# Altium PCB NG2093.PcbDoc (part 5 of 8) (continued)
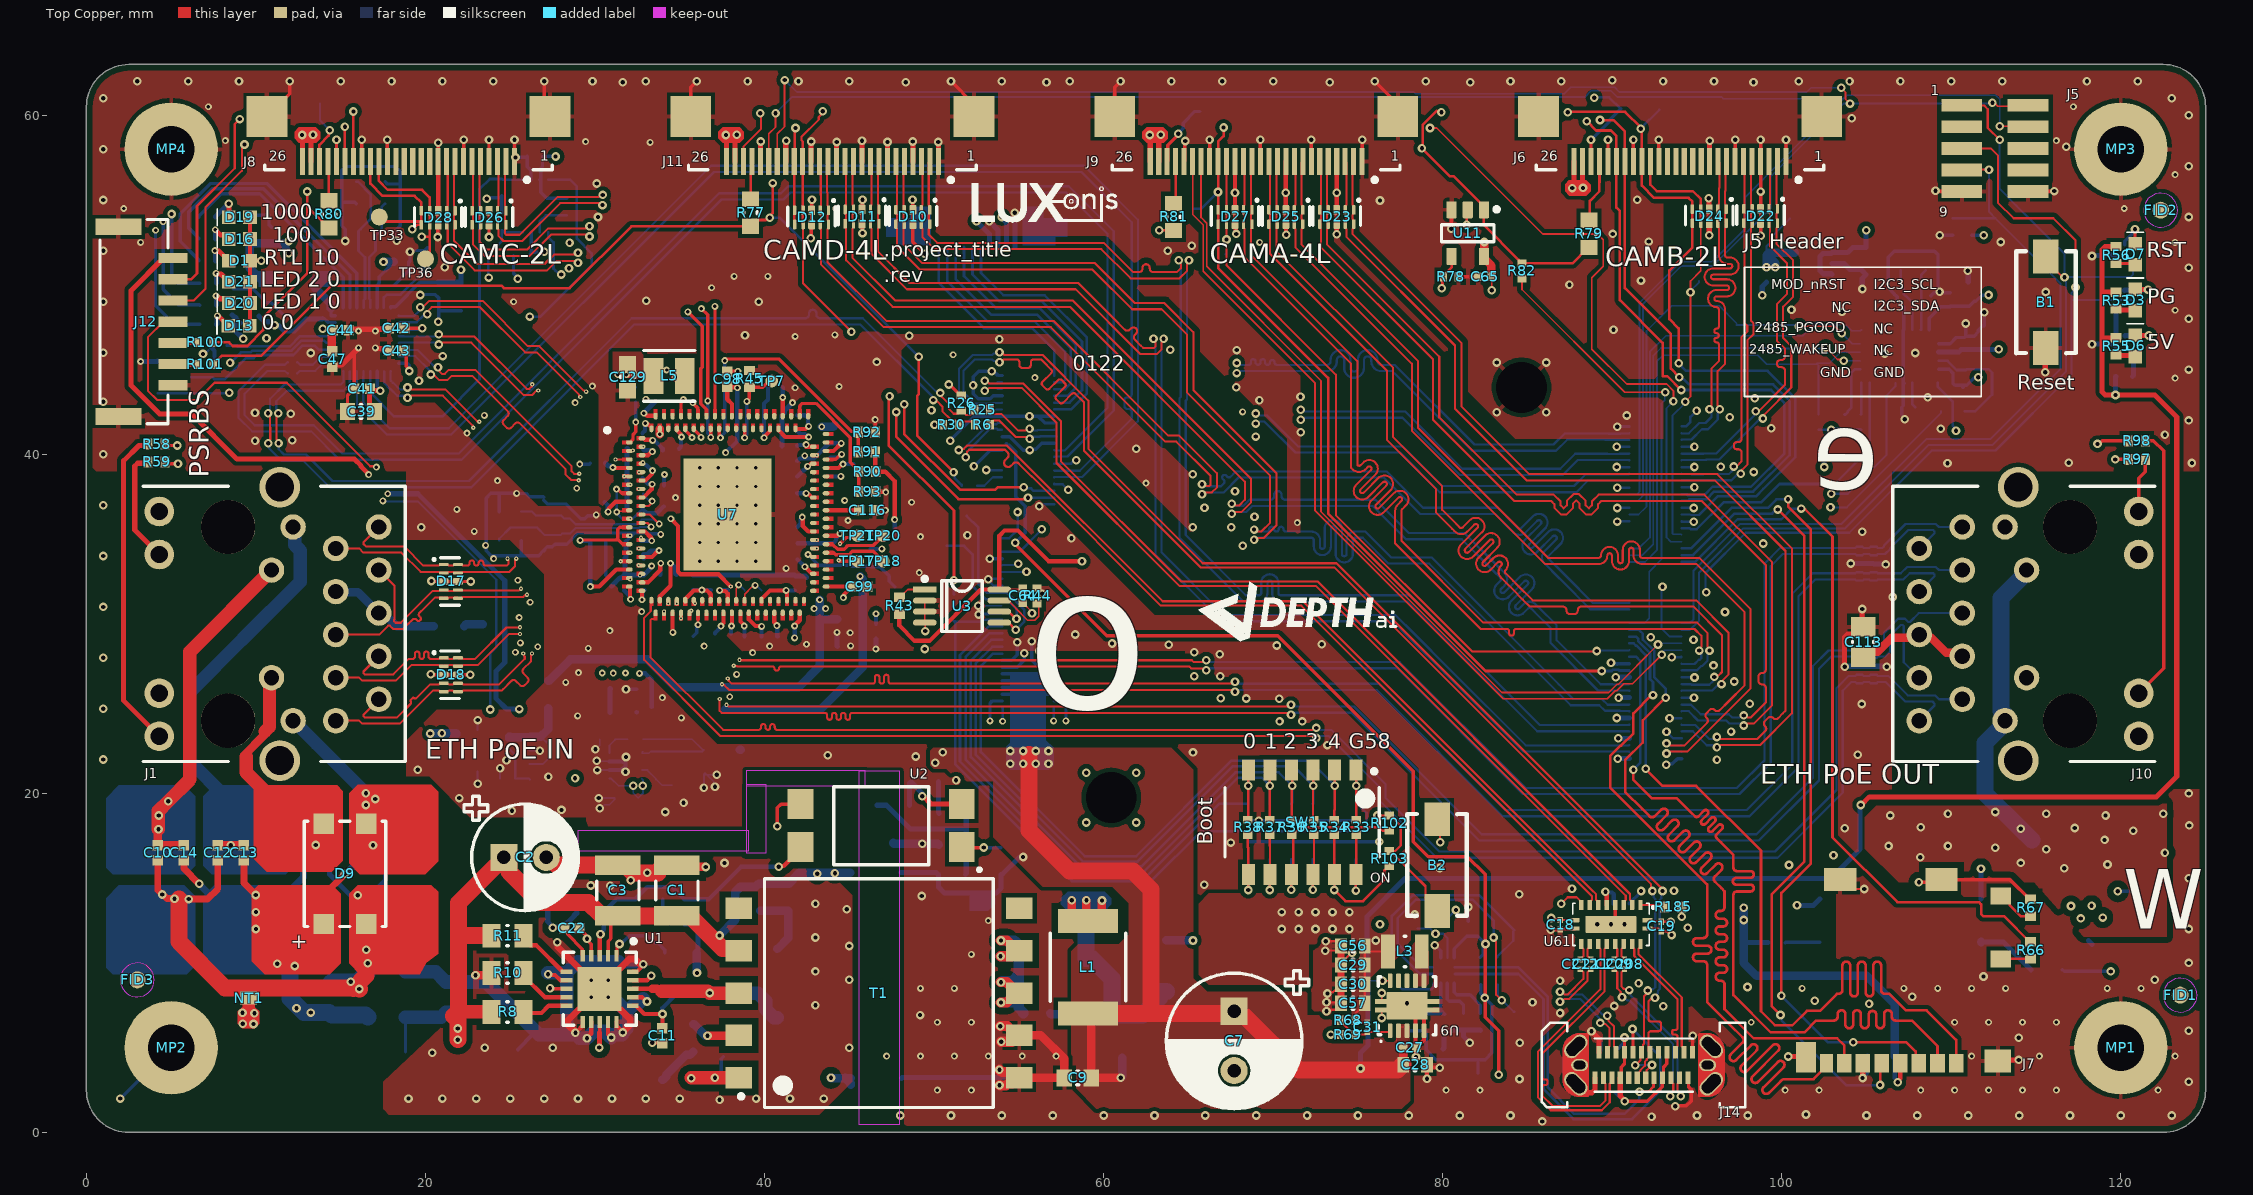
[diagram p0: Top Copper view]
## Nets (pads, with @x,y where several pads share a name; then routed paths per layer and width w, separated by ;. In a path a pad name is that pad's centre, name@x,y a point inside that pad or via, vN(x,y) a via of type N, cw(c..) or ccw(c..) an arc to the next point about the centre after c; other vN are vias at no path point) (continued)
  other v2: 50.2,2.5 52.2,2.5 80.2,2.5 82.2,2.5 100.2,2.5 102.2,2.5 108.2,2.5 110.2,2.5 112.2,2.5 114.2,2.5 116.2,2.5 122.2,2.5 47.2,4.5 49.2,4.5 51.2,4.5 53.2,4.5 55.2,4.5 57.2,4.5 111.2,4.5 115.2,4.5 123.2,4.5 50.2,6.5 52.2,6.5 98.2,6.5 110.2,6.5 112.2,6.5 114.2,6.5 116.2,6.5 49.2,8.5 51.2,8.5 101.2,8.5 107.2,8.5 109.2,8.5 111.2,8.5 113.2,8.5 119.2,8.5 121.2,8.5 52.2,10.5 53.2,12.5 57.05,24.275 57.775,24.275 35.1,24.45 28.975,24.575 33.975,25.65 37.95,25.7 28.275,26.55 38.35,27.025 39.3,28.3 25.3,28.325 29.6,28.55 26.625,28.65 45.075,28.7 25.6,28.875 45.05,29.475 30.875,29.6 25.525,30.375 26.175,31.275 25.45,32.575 24.022,33.847 49.2,35.15 22.875,35.45 71.425,35.975 21.85,36.75 62.5,38.3 24.25,38.45 22.45,41.25 23.475,42.3 68.2,42.5 28.825,43.05 41.8,43.925 29.85,44.025 123.2,44.5 55.95,44.525 51.125,45.875 41.8,46.95 16.05,47.275 17.05,47.275 123.2,48.5 25.2,49 36.875,49.825 38.2,50.5 40.2,50.5 3.2,52.5 69.2,52.5 123.2,52.5 2.2,54.5 44.2,54.5 120.2,54.5 123.2,56.5 33.25,58.4 29.45,58.45 8.2,58.5 116.2,58.5 7.2,60.5 117.2,60.5
  other v3: 29.025,27.125 36.432,28.691 40.3,28.684 42.475,28.8 32.75,30.725 49.125,33.025 41.275,33.275 44.925,36.1 48.675,37.175 44.725,37.275 34.75,37.45 28.925,38 44.4,44 44.15,47.05
  other v5: 36.175,33.7 37.275,33.7 38.375,33.7 39.475,33.7 36.175,34.8 37.275,34.8 38.375,34.8 39.475,34.8 36.175,35.9 37.275,35.9 38.375,35.9 39.475,35.9 36.175,37 37.275,37 38.375,37 39.475,37 36.175,38.1 37.275,38.1 38.375,38.1 39.475,38.1 36.175,39.2 37.275,39.2 38.375,39.2 39.475,39.2
GPIO7/sd_hst_cd: J2.59 R66.2 | length 43.2
  Top Copper w0.152: v1(101.15,36.8) 101.2,36.75 101.386,36.75 102.993,35.142 102.993,17.407 106.819,13.581 111.64,13.581 111.76,13.461 111.76,12.88 111.889,12.751 113.124,12.751 114.626,11.25 R66.2@114.676,11.25
  Bottom Copper w0.152: J2.59@94.09,33.65 94.874,33.65 97.395,36.171 99.971,36.171 100.6,36.8 v1(101.15,36.8)
GPIO58: J3.28 R27.1 R33.2 R63.1 SW1.1 | length 45.5
  Top Copper w0.127: R33.2@74.9,18.45 74.916,18.466 74.901,18.481 v1(74.901,20.45)
  Top Copper w0.152: SW1.1@74.885,21.375 74.901,21.359 v1(74.901,20.45)
  Bottom Copper w0.152: R27.1@51.175,30.15 R27.1@51.25,30.075 ; J3.28@54.01,30.25 52.936,30.25 52.804,30.118 51.282,30.118 51.25,30.15 R27.1@51.25,30.075 ; v1(74.901,20.45) R63.1@74.9,19.4 R63.1@74.9,19.4 74.95,19.4 75.503,18.847 ; 75.513,18.847 75.513,17.994 75.284,17.765 65.739,17.765 62.803,14.83 58.134,14.83 51.25,21.714 R27.1@51.25,30.075
GPIO59_PU: R2.1 R33.1 SW1.12 | length 5.1
  Top Copper w0.127: SW1.12@74.885,15.225 74.9,15.24 R33.1@74.9,17.55
  Top Copper w0.152: v1(74.881,14.267) 74.881,15.221 SW1.12@74.885,15.225
  Bottom Copper w0.152: v1(74.881,14.267) 74.881,16.121 R2.1@74.885,16.125
HSO: R8.2 U1.10 | length 2.7
  Top Copper w0.254: R8.2@25.789,7.109 25.849,7.05 26.84,7.05 27.265,7.475 U1.10@28.323,7.475
I2C0_SCL: J3.34 TP1.1 U3.6 | length 8.5
  Top Copper w0.152: U3.6@53.85,30.725 54.401,30.725 54.832,30.294 v1(54.858,30.294)
  Bottom Copper w0.152: TP1.1@50.75,34.6 51.77,34.6 52.275,34.095 52.275,32.225 53.05,31.45 J3.34@54.01,31.45 54.27,31.45 54.399,31.321 54.43,31.321 54.875,30.876 54.875,30.311 v1(54.858,30.294)
I2C0_SDA: J3.36 TP2.1 U3.5 | length 10.2
  Top Copper w0.152: U3.5@53.85,30.075 54.388,30.075 54.813,29.65 v1(54.825,29.65)
  Bottom Copper w0.152: TP2.1@51.925,36.375 52.609,35.691 52.609,32.341 53.1,31.85 J3.36@54.01,31.85 54.27,31.85 54.399,31.721 54.43,31.721 55.325,30.826 55.325,30.15 v1(54.825,29.65)
I2C1_SCL: J2.35 J9.20 | length 50.5
  Top Copper w0.102: J9.20@65.75,57.275 65.75,53.969 66.078,53.641 66.078,51.084 72.825,44.337 72.825,36.613 83.487,25.95 89.788,25.95 90.281,26.444 90.368,26.444 91.467,27.542 91.467,27.55 v1(92.699,28.781)
  Bottom Copper w0.102: v1(92.699,28.781) 92.767,28.85 J2.35@94.09,28.85
I2C1_SDA: J2.33 J9.21 | length 51.1
  Top Copper w0.102: J9.21@65.25,57.275 65.25,54.15 65.875,53.525 65.875,50.792 72.475,44.193 72.475,36.675 83.575,25.575 89.7,25.575 90.182,26.056 90.269,26.056 90.672,26.46 91.199,26.46 v1(92.915,28.175)
  Bottom Copper w0.102: v1(92.915,28.175) 92.915,28.285 93.075,28.445 93.075,28.45 J2.33@94.09,28.45
I2C2_SCL: J2.77 J6.20 J8.20 | length 112.8
  Top Copper w0.152: J8.20@15.75,57.275 v1(15.75,60.225) ; v1(89.278,59.722) 89.3,59.7 90.1,59.7 90.75,59.05 J6.20@90.75,57.275 90.75,49.8 93.455,47.095 93.455,45.053 v1(93.952,44.555)
  Signal Layer 2 w0.152: v1(15.75,60.225) 16.387,60.862 32.166,60.862 32.343,61.04 47.956,61.04 48.133,60.862 88.186,60.862 89.278,59.77 v1(89.278,59.722)
  Bottom Copper w0.152: v1(93.952,44.555) 94.049,44.555 94.166,44.438 94.213,44.438 94.526,44.125 99.488,44.125 100.471,43.141 100.471,39.957 98.314,37.8 96,37.8 95.548,37.348 94.548,37.348 94.464,37.264 94.104,37.264 J2.77@94.09,37.25
I2C2_SDA: J2.79 J6.21 J8.21 | length 111.7
  Top Copper w0.15: J8.21@15.25,57.275 v1(15.25,59.325) ; v1(88.5,59.65) 89.05,59.1 89.925,59.1 90.25,58.775 J6.21@90.25,57.275 90.25,54.556 90.456,54.35 90.456,49.094 92.975,46.575 92.975,44.606 93.258,44.606 v1(94.07,43.794)
  Signal Layer 2 w0.15: v1(15.25,59.325) 15.95,59.325 17.234,60.609 32.431,60.609 32.609,60.787 47.851,60.787 48.029,60.609 87.555,60.609 88.5,59.665 v1(88.5,59.65)
  Bottom Copper w0.15: v1(94.07,43.794) 99.378,43.794 100.15,43.022 100.15,40.06 98.177,38.087 95.92,38.087 95.434,37.601 94.453,37.601 94.419,37.635 94.105,37.635 J2.79@94.09,37.65
I2C3_SCL: J2.78 J5.2 J11.20 | length 110.2
  Top Copper w0.102: J11.20@40.75,57.275 40.75,58.9 41.175,59.325 41.175,62.05 v1(41.2,62.075) ; v1(103.5,61.625) 103.762,61.363 103.762,60.952 v1(104.025,60.69) ; v1(112.426,60.74) 112.536,60.74 112.744,60.532 114.467,60.532 J5.2@114.525,60.59
  Bottom Copper w0.102: v1(41.2,62.075) 41.9,61.375 78.3,61.375 78.4,61.275 87.175,61.275 87.55,61.65 90.15,61.65 90.425,61.375 101.475,61.375 101.725,61.625 v1(103.5,61.625) ; J2.78@91.01,37.25 91.508,37.25 91.666,37.408 91.81,37.552 91.81,48.855 94.065,51.11 95.935,51.11 99.34,54.515 99.34,56.385 103.645,60.69 v1(104.025,60.69) 112.376,60.69 v1(112.426,60.74)
I2C3_SDA: J2.80 J5.4 J11.21 | length 109.3
  Top Copper w0.102: J11.21@40.25,57.275 40.25,58.9 40.65,59.3 v1(40.65,60.125) ; v1(112.85,59.35) 114.495,59.35 J5.4@114.525,59.32
  Bottom Copper w0.102: v1(40.65,60.125) 41.597,61.072 88.377,61.072 88.752,61.447 89.928,61.447 90.3,61.075 96.45,61.075 96.559,60.966 103.634,60.966 ; J2.80@91.01,37.65 91.47,37.65 91.607,37.787 91.607,48.939 94.034,51.366 95.904,51.366 97.838,53.3 97.838,55.162 98.938,56.262 ; 98.934,56.266 103.634,60.966 ; v1(112.85,59.35) 112.85,60.959 112.625,61.184 103.852,61.184 103.634,60.966
I2C4_SCL_1V8: J3.59
I2C4_SDA_1V8: J3.57
ISNS: R13.1 TP10.1 U1.1 U1.8 | length 13.2
  Top Copper w0.203: v1(27.35,8.5) 27.362,8.488 28.311,8.488 U1.8@28.323,8.475 ; U1.1@31.273,10.425 31.296,10.448 31.296,10.962 31.44,11.106 31.44,11.109 v1(31.446,11.115)
  Signal Layer 2 w0.203: v1(27.35,8.5) 26.524,8.5 26.314,8.709 26.314,10.109 26.814,10.609 30.17,10.609 30.676,11.115 v1(31.446,11.115)
  Bottom Copper w0.203: v1(31.446,11.115) 31.528,11.115 32.011,11.598 TP10.1@32.221,11.598 33.106,11.598 33.515,11.189 33.69,11.189 34.113,10.765 R13.1@34.113,10.59
LED0_0: R74.1 U7.A79 | length 46.5
  Top Copper w0.2: U7.A79@37.075,42.25 v2(37.075,48.725)
  Signal Layer 2 w0.2: v1(5.025,54.175) 5.072,54.128 6.367,54.128 6.566,54.328 17.36,54.328 19.589,52.1 25.2,52.1 27.147,50.153 35.647,50.153 v2(37.075,48.725)
  Bottom Copper w0.2: v1(5.025,54.175) 5.025,50.425 5.35,50.1 R74.1@6.675,50.1
LED0_0_0: D13.1 R87.2 | length 1.4
  Top Copper w0.3: v2(7.725,48.17) 7.745,48.15 7.8,48.15 D13.1@8.375,47.575
  Bottom Copper w0.3: R87.2@7.675,47.675 7.705,47.705 7.705,48.15 v2(7.725,48.17)
LED0_1: R73.1 U7.B69 | length 49.2
  Top Copper w0.2: v2(36.275,48.6) 36.65,48.225 v3(36.65,43.15) ; v3(36.825,41) U7.B69@36.825,41.5
  Signal Layer 2 w0.2: v2(4.528,53.722) 4.548,53.702 6.456,53.702 6.781,54.027 16.048,54.027 18.576,51.499 19.647,51.499 19.947,51.798 25.075,51.798 27.022,49.852 35.023,49.852 v2(36.275,48.6)
  Bottom Copper w0.2: v2(4.528,53.722) 4.528,49.722 5.425,48.825 6.65,48.825 R73.1@6.675,48.8 ; v3(36.65,43.15) 36.65,41.231 36.825,41.056 v3(36.825,41)
LED0_1_0: D20.1 R73.2 | length 1.5
  Top Copper w0.3: v2(7.65,49.35) 7.706,49.35 7.881,49.175 8.15,49.175 D20.1@8.4,48.925
  Bottom Copper w0.3: v2(7.65,49.35) 7.663,49.337 7.663,48.812 R73.2@7.675,48.8
LED0_2: R87.1 U7.A80 | length 48.3
  Top Copper w0.2: v2(35.475,48.4) 36.325,47.55 36.325,45.144 36.245,45.064 36.245,42.982 36.575,42.653 U7.A80@36.575,42.25
  Signal Layer 2 w0.2: v2(4.078,53.217) 4.117,53.178 4.263,53.178 4.266,53.175 6.389,53.175 6.939,53.725 15.912,53.725 18.44,51.197 19.772,51.197 20.072,51.497 24.95,51.497 26.897,49.55 34.325,49.55 v2(35.475,48.4)
  Bottom Copper w0.2: v2(4.078,53.217) 4.078,48.772 5.175,47.675 R87.1@6.675,47.675
LED0_2_0: D21.1 R74.2 | length 1.5
  Top Copper w0.3: v2(7.65,50.675) 7.69,50.635 7.94,50.635 D21.1@8.4,50.175
  Bottom Copper w0.3: v2(7.65,50.675) 7.663,50.662 7.663,50.112 R74.2@7.675,50.1
LED0_10_GRN: R70.1 U4.27 | length 18.6
  Bottom Copper w0.2: R70.1@6.625,51.413 6.625,51.463 5.525,52.563 5.525,54.199 7.299,55.973 10.665,55.973 15.95,50.688 U4.27@15.95,48.65
LED0_10_GRN1: D1.1 R70.2 | length 1.7
  Top Copper w0.3: v2(7.581,52.019) 7.62,51.98 7.833,51.98 D1.1@8.4,51.413
  Bottom Copper w0.3: v2(7.581,52.019) 7.603,51.997 7.603,51.435 R70.2@7.625,51.413
LED1_0: U7.B70
LED1_1: R58.1 U7.A81 | length 37.7
  Top Copper w0.2: R58.1@4.675,40.525 4.681,40.519 v1(5.36,40.519) ; v3(35.775,43.05) 35.775,43.026 36.075,42.726 U7.A81@36.075,42.25
  Signal Layer 2 w0.2: v1(5.36,40.519) 5.36,40.473 5.631,40.202 19.802,40.202 26.252,46.652 34.475,46.652 35.775,45.352 v3(35.775,43.05)
LED1_2: R59.1 U7.B71 | length 41.5
  Top Copper w0.2: R59.1@4.675,39.475 4.7,39.45 v1(5.4,39.45) ; U7.B71@35.825,41.5 35.825,41.439 35.848,41.415 35.873,41.415 36.254,41.034 v3(36.254,41.001)
  Signal Layer 2 w0.2: v1(5.4,39.45) 5.85,39.9 19.927,39.9 26.377,46.35 34.35,46.35 35.4,45.3 35.4,44.025 34.525,43.15 34.525,41.028 34.962,40.591 35.888,40.591 36.254,40.956 v3(36.254,41.001)
LED1_100_OR: R71.1 U4.26 | length 16
  Bottom Copper w0.2: R71.1@6.625,52.7 6.625,52.75 6.021,53.354 6.021,54.269 7.424,55.672 10.447,55.672 15.55,50.569 U4.26@15.55,48.65
LED1_100_OR1: D16.1 R71.2 | length 1.6
  Top Copper w0.3: v2(7.6,53.244) 7.898,52.946 8.154,52.946 D16.1@8.4,52.7
  Bottom Copper w0.3: v2(7.6,53.244) 7.613,53.232 7.613,52.713 R71.2@7.625,52.7
LED2_0: U7.A82
LED2_1: R97.1 U7.B72 | length 93.5
  Top Copper w0.2: U7.B72@35.325,41.5 35.325,41.411 35.369,41.367 35.369,41.356 35.72,41.005 v3(35.72,40.995) ; v1(119.675,39.7) R97.1@120.45,39.7
  Signal Layer 2 w0.2: v3(35.72,40.995) 35.725,41 35.725,41.225 36.55,42.05 45.1,42.05 49.728,37.422 52.953,37.422 58.129,32.246 80.046,32.246 81.851,34.051 95.705,34.051 101.787,40.133 119.242,40.133 v1(119.675,39.7)
LED2_2: R98.1 U7.A83 | length 94.3
  Top Copper w0.2: U7.A83@35.075,42.25 35.075,42.469 35.075,43.031 35.214,43.17 v3(35.214,43.226) ; v1(118.625,40.613) 118.709,40.613 118.896,40.8 R98.1@120.45,40.8
  Signal Layer 2 w0.2: v3(35.214,43.226) 35.25,43.191 35.25,42.95 35.848,42.352 45.225,42.352 49.853,37.724 53.078,37.724 56.25,34.552 56.656,34.552 58.66,32.547 79.372,32.547 81.377,34.552 95.498,34.552 101.58,40.633 118.605,40.633 v1(118.625,40.613)
LED2_1000_GRN: R72.1 U4.25 | length 13
  Bottom Copper w0.2: R72.1@6.625,53.987 6.625,54.037 7.957,55.37 10.217,55.37 15.15,50.437 U4.25@15.15,48.65
LED2_1000_GRN1: D19.1 R72.2 | length 1.9
  Top Copper w0.3: D19.1@8.4,53.987 v1(8.4,54.784)
  Bottom Copper w0.3: R72.2@7.625,53.987 7.625,54.037 8.371,54.784 v1(8.4,54.784)
LED3_1_100_OR1: J1.18 R58.2 | length 19
  Top Copper w0.3: R58.2@3.675,40.525 3.1,40.525 2.2,39.625 2.2,25.469 J1.18@4.299,23.37
LED3_2_1000_GRN1: J1.16 R59.2 | length 6.7
  Top Copper w0.3: R59.2@3.675,39.475 3.026,39.475 2.85,39.299 2.85,35.539 J1.16@4.299,34.09
LED4_1_100_OR1: J10.18 R97.2 | length 3.2
  Top Copper w0.2: J10.18@121.06,36.63 121.06,38.585 121.45,38.975 R97.2@121.45,39.7
LED4_2_1000_GRN1: J10.16 R98.2 | length 16.6
  Top Copper w0.2: J10.16@121.06,25.91 122.525,27.375 122.525,40.2 121.925,40.8 R98.2@121.45,40.8
  Top Copper w0.508: J10.16@121.06,25.91 J10.16@121.396,25.91 ; R98.2@121.45,40.8 121.45,40.766 R98.2@121.471,40.745
LED_OPEN_EN: R91.1 R92.1 U7.B68 | length 16.1
  Top Copper w0.2: U7.B68@37.325,41.5 37.335,41.49 37.335,41.096 37.4,41.031 v3(37.4,40.975) ; v2(37.65,45.525) 37.706,45.525 37.806,45.625 40.839,45.625 45.114,41.35 45.476,41.35 R92.1@45.523,41.302 45.523,40.171 R91.1@45.51,40.157
  Top Copper w0.25: R91.1@45.51,40.157 R91.1@45.523,40.144
  Bottom Copper w0.2: v3(37.4,40.975) 37.4,41.031 37.65,41.281 v2(37.65,45.525)
LX1: L3.1 U9.6 U9.7
MIPI2_C_N: D11.1 D11.10 J2.4 J11.8 | length 71
  Top Copper w0.12: J11.8@46.75,57.275 46.685,57.21 46.685,55.47 46.685,54.735 46.71,54.71 46.71,54.628 46.75,54.588 46.71,54.548 46.71,54.175 46.685,54.15 46.685,53.9 46.71,53.875 46.71,53.793 46.75,53.753 46.71,53.713 46.71,53.34 46.685,53.315 46.685,51.972 48.55,50.106 58.5,50.106 60.553,48.053 61.249,47.358 ccw(c61.399,47.508) 61.549,47.358 61.615,47.424 cw(c61.765,47.274) 61.915,47.424 cw(c61.765,47.274) 61.915,47.124 61.849,47.058 ccw(c61.999,46.908) 61.849,46.758 62.191,46.416 62.327,46.28 62.982,46.28 63.053,46.35 63.053,46.607 62.939,46.72 v1(62.939,46.825)
  Bottom Copper w0.13: v1(62.939,46.825) 62.939,46.723 63.055,46.607 63.055,34.057 66.962,30.15 77.062,30.15 78.073,29.138 80.118,27.093 84.744,22.467 90.147,22.467 90.151,22.471 90.499,22.471 90.503,22.467 90.993,22.467 J2.4@91.01,22.45
MIPI2_C_P: D11.2 D11.9 J2.6 J11.9 | length 70.9
  Top Copper w0.12: J11.9@46.25,57.275 46.315,57.21 46.315,55.316 46.315,54.735 46.29,54.71 46.29,54.628 46.25,54.588 46.29,54.548 46.29,54.175 46.315,54.15 46.315,53.9 46.29,53.875 46.29,53.793 46.25,53.753 46.29,53.713 46.29,53.34 46.315,53.315 46.315,51.819 48.397,49.736 58.347,49.736 62.174,45.91 63.136,45.91 63.423,46.197 63.423,46.607 63.536,46.72 v1(63.536,46.825)
  Bottom Copper w0.13: v1(63.536,46.825) 63.536,46.723 63.421,46.607 63.421,34.209 67.113,30.516 77.213,30.516 78.332,29.397 80.377,27.352 84.896,22.833 89.727,22.833 89.731,22.829 90.524,22.829 90.528,22.833 90.993,22.833 J2.6@91.01,22.85
MIPI2_D0_N: D10.1 D10.10 J2.10 J11.2 | length 71
  Top Copper w0.12: J11.2@49.75,57.275 49.685,57.21 49.685,55.457 49.685,54.71 49.71,54.685 49.71,54.598 49.75,54.558 49.71,54.517 49.71,54.15 49.685,54.125 49.685,53.875 49.71,53.85 49.71,53.763 49.75,53.723 49.71,53.682 49.71,53.315 49.685,53.29 49.685,52.968 50.181,52.473 60.019,52.473 61.744,50.748 62.025,50.748 62.085,50.748 ccw(c62.085,50.96) 62.297,50.96 62.297,51.002 cw(c62.509,51.002) 62.509,51.214 cw(c62.509,51.002) 62.721,51.002 62.721,50.96 ccw(c62.933,50.96) 62.933,50.748 63.762,50.748 64.325,50.748 64.553,50.975 64.553,51.232 64.439,51.345 v1(64.439,51.45)
  Bottom Copper w0.13: v1(64.439,51.45) 64.439,51.348 64.555,51.232 64.555,50.75 64.555,47.55 64.555,43.389 64.475,43.31 64.475,35.087 68.237,31.325 68.907,31.325 69.155,31.325 ccw(c69.155,31.831) 69.661,31.831 69.661,32.418 cw(c69.801,32.418) 69.801,32.558 cw(c69.801,32.418) 69.941,32.418 69.941,31.831 ccw(c70.447,31.831) 70.447,31.325 72.456,31.325 77.912,31.325 85.569,23.667 90.172,23.667 90.176,23.671 90.524,23.671 90.528,23.667 90.993,23.667 J2.10@91.01,23.65
MIPI2_D0_P: D10.2 D10.9 J2.12 J11.3 | length 71.1
  Top Copper w0.12: J11.3@49.25,57.275 49.315,57.21 49.315,55.304 49.315,54.71 49.29,54.685 49.29,54.597 49.25,54.558 49.29,54.518 49.29,54.15 49.315,54.125 49.315,53.875 49.29,53.85 49.29,53.762 49.25,53.723 49.29,53.683 49.29,53.315 49.315,53.29 49.315,52.815 50.028,52.103 59.866,52.103 61.591,50.378 64.478,50.378 64.923,50.822 64.923,51.232 65.036,51.345 v1(65.036,51.45)
  Bottom Copper w0.13: v1(65.036,51.45) 65.036,51.348 64.921,51.232 64.921,50.75 64.921,47.55 64.921,43.238 64.841,43.158 64.841,35.238 68.388,31.691 68.907,31.691 69.155,31.691 ccw(c69.155,31.831) 69.295,31.831 69.295,32.418 cw(c69.801,32.418) 69.801,32.924 cw(c69.801,32.418) 70.307,32.418 70.307,31.831 ccw(c70.447,31.831) 70.447,31.691 72.456,31.691 78.063,31.691 85.721,24.033 89.727,24.033 89.731,24.029 90.449,24.029 90.453,24.033 90.993,24.033 J2.12@91.01,24.05
MIPI2_D1_N: D10.4 D10.7 J2.16 J11.5 | length 71
  Top Copper w0.12: J11.5@48.25,57.275 48.185,57.21 48.185,55.457 48.185,54.71 48.21,54.685 48.21,54.598 48.25,54.558 48.21,54.517 48.21,54.15 48.185,54.125 48.185,53.875 48.21,53.85 48.21,53.763 48.25,53.723 48.21,53.682 48.21,53.315 48.185,53.29 48.185,52.397 49.309,51.273 59.494,51.273 61.839,48.927 63.58,48.927 65.297,47.209 65.297,43.794 70.197,38.894 70.197,35.813 69.462,35.078 69.093,35.078 68.98,34.964 v1(68.875,34.964)
  Bottom Copper w0.13: v1(68.875,34.964) 68.977,34.964 69.093,35.08 71.395,35.08 72.255,35.08 cw(c72.255,34.94) 72.395,34.94 72.395,34.564 ccw(c72.901,34.564) 72.901,34.058 ccw(c72.901,34.564) 73.407,34.564 73.407,35.618 cw(c73.547,35.618) 73.547,35.758 cw(c73.547,35.618) 73.687,35.618 73.687,34.134 ccw(c74.193,34.134) 74.193,33.628 ccw(c74.193,34.134) 74.699,34.134 74.699,34.94 cw(c74.839,34.94) 74.839,35.08 75.087,35.08 75.282,35.08 76.807,33.554 79.207,33.554 87.557,25.205 89.238,25.205 89.572,24.871 90.449,24.871 90.453,24.867 90.993,24.867 J2.16@91.01,24.85
MIPI2_D1_P: D10.5 D10.6 J2.18 J11.6 | length 71
  Top Copper w0.12: J11.6@47.75,57.275 47.815,57.21 47.815,55.304 47.815,54.71 47.79,54.685 47.79,54.597 47.75,54.558 47.79,54.518 47.79,54.15 47.815,54.125 47.815,53.875 47.79,53.85 47.79,53.762 47.75,53.723 47.79,53.683 47.79,53.315 47.815,53.29 47.815,52.244 49.156,50.903 59.341,50.903 61.686,48.557 63.426,48.557 64.927,47.056 64.927,43.641 69.827,38.741 69.827,35.966 69.309,35.448 69.093,35.448 68.98,35.561 v1(68.875,35.561)
  Bottom Copper w0.13: v1(68.875,35.561) 68.977,35.561 69.093,35.446 69.565,35.446 69.63,35.446 ccw(c69.63,35.586) 69.77,35.586 cw(c69.91,35.586) 70.05,35.586 ccw(c70.19,35.586) 70.33,35.586 cw(c70.47,35.586) 70.61,35.586 ccw(c70.75,35.586) 70.75,35.446 71.378,35.446 71.395,35.446 72.255,35.446 cw(c72.255,34.94) 72.761,34.94 72.761,34.564 ccw(c72.901,34.564) 72.901,34.424 ccw(c72.901,34.564) 73.041,34.564 73.041,35.618 cw(c73.547,35.618) 73.547,36.124 cw(c73.547,35.618) 74.053,35.618 74.053,34.134 ccw(c74.193,34.134) 74.193,33.994 ccw(c74.193,34.134) 74.333,34.134 74.333,34.94 cw(c74.839,34.94) 74.839,35.446 75.087,35.446 75.434,35.446 76.959,33.92 79.359,33.92 86.84,26.44 87.709,25.571 87.871,25.571 89.39,25.571 89.731,25.229 90.549,25.229 90.553,25.233 90.993,25.233 J2.18@91.01,25.25
MIPI2_D2_N: D11.4 D11.7 J2.22 J11.11 | length 71
  Top Copper w0.12: J11.11@45.25,57.275 45.185,57.21 45.185,55.47 45.185,54.735 45.21,54.71 45.21,54.598 45.25,54.558 45.21,54.517 45.21,54.175 45.185,54.15 45.185,53.9 45.21,53.875 45.21,53.763 45.25,53.723 45.21,53.682 45.21,53.34 45.185,53.315 45.185,51.597 47.709,49.073 58.169,49.073 68.697,38.544 68.697,37.163 68.137,36.602 67.768,36.602 67.655,36.489 v1(67.55,36.489)
  Bottom Copper w0.13: v1(67.55,36.489) 67.652,36.489 67.768,36.604 68.409,36.604 68.759,36.955 75.882,36.955 77.84,34.997 81.124,34.997 82.91,33.211 83.031,33.09 83.396,32.725 cw(c83.297,32.626) 83.396,32.527 83.185,32.317 ccw(c83.543,31.959) 83.901,31.602 84.806,32.506 cw(c84.905,32.408) 85.004,32.507 cw(c84.905,32.408) 85.004,32.309 84.056,31.361 ccw(c84.414,31.003) 84.056,30.645 ccw(c84.414,31.003) 84.708,30.592 84.718,30.592 85.025,30.898 cw(c85.124,30.799) 85.223,30.898 85.276,30.845 85.398,30.723 86.355,29.766 86.355,28.882 89.166,26.071 90.549,26.071 90.553,26.067 90.993,26.067 J2.22@91.01,26.05
MIPI2_D2_P: D11.5 D11.6 J2.24 J11.12 | length 71
  Top Copper w0.12: J11.12@44.75,57.275 44.815,57.21 44.815,55.316 44.815,54.735 44.79,54.71 44.79,54.597 44.75,54.558 44.79,54.518 44.79,54.175 44.815,54.15 44.815,53.9 44.79,53.875 44.79,53.762 44.75,53.723 44.79,53.683 44.79,53.34 44.815,53.315 44.815,51.444 47.556,48.703 58.016,48.703 68.327,38.391 68.327,37.316 67.984,36.972 67.768,36.972 67.655,37.086 v1(67.55,37.086)
  Bottom Copper w0.13: v1(67.55,37.086) 67.652,37.086 67.768,36.97 68.257,36.97 68.607,37.321 69.775,37.321 69.84,37.321 ccw(c69.84,37.538) 70.057,37.538 70.057,37.618 cw(c70.274,37.618) 70.491,37.618 70.491,37.538 ccw(c70.708,37.538) 70.708,37.321 71.3,37.321 76.034,37.321 77.991,35.363 81.276,35.363 83.168,33.47 83.29,33.348 83.654,32.984 cw(c83.297,32.626) 83.654,32.269 83.444,32.058 ccw(c83.543,31.959) 83.444,31.861 ; 83.444,31.86 ccw(c83.543,31.959) 83.642,31.86 84.601,32.819 84.611,32.819 cw(c84.905,32.408) 85.263,32.766 cw(c84.905,32.408) 85.263,32.05 84.315,31.102 ccw(c84.414,31.003) 84.315,30.904 ccw(c84.414,31.003) 84.513,30.904 ; 84.513,30.905 84.766,31.157 cw(c85.124,30.799) 85.481,31.157 85.535,31.104 85.657,30.982 86.721,29.918 86.721,29.034 89.317,26.437 90.018,26.437 90.026,26.429 90.374,26.429 90.378,26.433 90.993,26.433 J2.24@91.01,26.45
MIPI2_D3_N: D12.1 D12.10 J2.46 J11.14 | length 70.9
  Top Copper w0.12: J11.14@43.75,57.275 43.685,57.21 43.685,55.457 43.71,55.432 43.71,54.685 43.735,54.66 43.735,54.208 43.75,54.192 43.735,54.177 43.735,54.125 43.71,54.1 43.71,53.85 43.735,53.825 43.735,53.738 43.75,53.723 43.735,53.707 43.735,53.29 43.71,53.265 43.71,51.347 47.184,47.873 57.044,47.873 63.794,41.122 64.444,41.122 66.674,38.892 66.674,38.039 66.387,37.752 66.018,37.752 65.905,37.639 v1(65.8,37.639)
  Bottom Copper w0.13: v1(65.8,37.639) 65.902,37.639 66.018,37.754 67.084,37.754 67.959,38.63 76.532,38.63 78.682,36.48 83.094,36.48 84.002,35.572 84.124,35.45 84.177,35.397 ccw(c84.535,35.754) 84.893,35.396 85.577,36.08 ; 85.578,36.081 cw(c85.677,35.982) 85.776,36.081 cw(c85.677,35.982) 85.776,35.883 84.797,34.904 84.797,34.895 ccw(c85.208,34.6) 85.566,34.242 86.49,35.167 cw(c86.59,35.068) 86.689,35.167 cw(c86.59,35.068) 86.689,34.969 86.005,34.285 ccw(c86.362,33.927) 86.005,33.569 86.864,32.71 86.985,32.589 88.707,30.867 90.993,30.867 J2.46@91.01,30.85
MIPI2_D3_P: D12.2 D12.9 J2.48 J11.15 | length 70.9
  Top Copper w0.12: J11.15@43.25,57.275 43.315,57.21 43.315,55.304 43.34,55.279 43.34,54.685 43.315,54.66 43.315,54.257 43.25,54.192 43.293,54.192 43.315,54.17 43.315,54.125 43.34,54.1 43.34,53.85 43.315,53.825 43.315,53.78 43.258,53.723 43.25,53.723 43.315,53.658 43.315,53.29 43.34,53.265 43.34,51.194 47.031,47.503 56.891,47.503 63.641,40.752 64.291,40.752 66.304,38.739 66.304,38.193 66.234,38.122 66.018,38.122 65.905,38.236 v1(65.8,38.236)
  Bottom Copper w0.13: v1(65.8,38.236) 65.902,38.236 66.018,38.12 66.93,38.12 66.999,38.19 67.045,38.236 67.095,38.285 ccw(c66.996,38.384) 67.095,38.483 67.031,38.547 cw(c67.13,38.646) 67.031,38.745 cw(c67.13,38.646) 67.229,38.745 67.293,38.68 ccw(c67.392,38.779) 67.491,38.68 67.722,38.911 67.769,38.957 67.807,38.996 76.684,38.996 78.834,36.846 83.246,36.846 84.261,35.83 84.383,35.709 84.437,35.655 ccw(c84.535,35.754) 84.634,35.655 85.372,36.393 85.382,36.393 cw(c85.677,35.982) 86.034,36.339 cw(c85.677,35.982) 86.034,35.624 85.11,34.7 ; 85.109,34.699 ccw(c85.208,34.6) 85.109,34.501 ccw(c85.208,34.6) 85.307,34.501 86.286,35.48 86.295,35.48 cw(c86.59,35.068) 86.948,35.426 cw(c86.59,35.068) 86.948,34.71 86.263,34.026 ccw(c86.362,33.927) 86.263,33.828 87.122,32.969 87.244,32.847 88.859,31.233 90.993,31.233 J2.48@91.01,31.25
MIPI_C_N: D25.1 D25.10 J2.3 J9.8 | length 57.7
  Top Copper w0.12: J9.8@71.75,57.275 71.685,57.21 71.685,55.471 71.685,54.71 71.71,54.685 71.71,54.275 71.75,54.235 71.71,54.195 71.71,54.15 71.685,54.125 71.685,53.875 71.71,53.85 71.71,53.805 71.75,53.765 71.71,53.725 71.71,53.315 71.685,53.29 71.685,52.37 78.555,45.5 78.555,41.552 86.211,33.896 86.573,33.896 89.205,33.896 ccw(c89.205,34.031) 89.34,34.031 cw(c89.845,34.031) 90.35,34.031 90.35,33.711 ccw(c90.485,33.711) 90.62,33.711 90.62,34.358 cw(c91.125,34.358) 91.63,34.358 91.63,34.031 ccw(c91.765,34.031) 91.765,33.896 92.65,33.896 95.13,33.896 98.159,30.867 98.159,26.201 94.423,22.465 93.418,22.465 93.305,22.352 v1(93.2,22.352)
  Bottom Copper w0.13: v1(93.2,22.352) 93.302,22.352 93.418,22.467 94.073,22.467 J2.3@94.09,22.45
MIPI_C_P: D25.2 D25.9 J2.5 J9.9 | length 57.6
  Top Copper w0.12: J9.9@71.25,57.275 71.315,57.21 71.315,55.318 71.315,54.71 71.29,54.685 71.29,54.458 D25.2@71.25,54.418 71.29,54.378 71.29,54.15 71.315,54.125 71.315,53.875 71.29,53.85 71.29,53.623 D25.9@71.25,53.583 71.29,53.543 71.29,53.315 71.315,53.29 71.315,52.217 78.185,45.347 78.185,41.398 86.058,33.526 86.573,33.526 89.205,33.526 ccw(c89.205,34.031) 89.71,34.031 cw(c89.845,34.031) 89.98,34.031 89.98,33.711 ccw(c90.485,33.711) 90.99,33.711 90.99,34.358 cw(c91.125,34.358) 91.26,34.358 91.26,34.031 ccw(c91.765,34.031) 91.765,33.526 92.65,33.526 94.977,33.526 97.789,30.714 97.789,26.354 96.857,25.422 96.341,24.906 cw(c96.199,25.048) 96.057,24.906 96.035,24.927 ccw(c95.893,24.785) 95.751,24.927 95.561,24.738 ccw(c95.703,24.596) 95.561,24.453 95.583,24.432 cw(c95.441,24.29) 95.583,24.148 94.916,23.481 94.27,22.835 93.418,22.835 93.305,22.948 v1(93.2,22.948)
  Bottom Copper w0.13: v1(93.2,22.948) 93.302,22.948 93.418,22.833 94.073,22.833 J2.5@94.09,22.85
MIPI_D0_N: D23.1 D23.10 J2.9 J9.2 | length 57.7
  Top Copper w0.12: J9.2@74.75,57.275 74.685,57.21 74.685,55.457 74.685,54.71 74.71,54.685 74.71,54.458 D23.1@74.75,54.418 74.71,54.378 74.71,54.15 74.685,54.125 74.685,53.875 74.71,53.85 74.71,53.623 D23.10@74.75,53.583 74.71,53.543 74.71,53.315 74.685,53.29 74.685,52.987 81.098,46.574 81.098,42.834 85.098,38.834 90.529,38.834 90.531,38.836 94.675,38.836 94.677,38.834 95.022,38.834 95.024,38.836 96.205,38.836 100.591,34.451 100.591,24.716 98.716,22.842 96.393,22.842 96.28,22.728 v1(96.175,22.728)
  Bottom Copper w0.13: J2.9@94.09,23.65 94.107,23.667 94.751,23.667 95.574,22.844 95.957,22.844 96.073,22.728 v1(96.175,22.728)
MIPI_D0_P: D23.2 D23.9 J2.11 J9.3 | length 57.6
  Top Copper w0.12: J9.3@74.25,57.275 74.315,57.21 74.315,55.304 74.315,54.71 74.29,54.685 74.29,54.458 D23.2@74.25,54.418 74.29,54.378 74.29,54.15 74.315,54.125 74.315,53.875 74.29,53.85 74.29,53.623 D23.9@74.25,53.583 74.29,53.543 74.29,53.315 74.315,53.29 74.315,52.834 80.728,46.421 80.728,42.681 84.945,38.464 90.682,38.464 90.684,38.466 96.052,38.466 100.221,34.297 100.221,24.869 100.068,24.717 99.784,24.433 cw(c99.642,24.575) 99.5,24.433 99.479,24.455 ccw(c99.337,24.313) 99.194,24.455 99.005,24.265 ccw(c99.147,24.123) 99.005,23.981 99.026,23.959 cw(c98.884,23.817) 99.026,23.675 98.984,23.633 98.563,23.212 96.393,23.212 96.28,23.325 v1(96.175,23.325)
  Bottom Copper w0.13: J2.11@94.09,24.05 94.107,24.033 94.903,24.033 95.726,23.21 95.957,23.21 96.073,23.325 v1(96.175,23.325)